# Altium PCB MK66MUC.PcbDoc (part 2 of 2)
Units mil, origin at the board's own origin, x right, y up, seen from the top; angles counter-clockwise.
Board outline 5142.08 x 3058.33 mil, 2 copper layers (Top Layer, Bottom Layer); 100 components, 101 nets, 463 pads, 106 vias.
Unrouted connection lines stored in the file: 122.
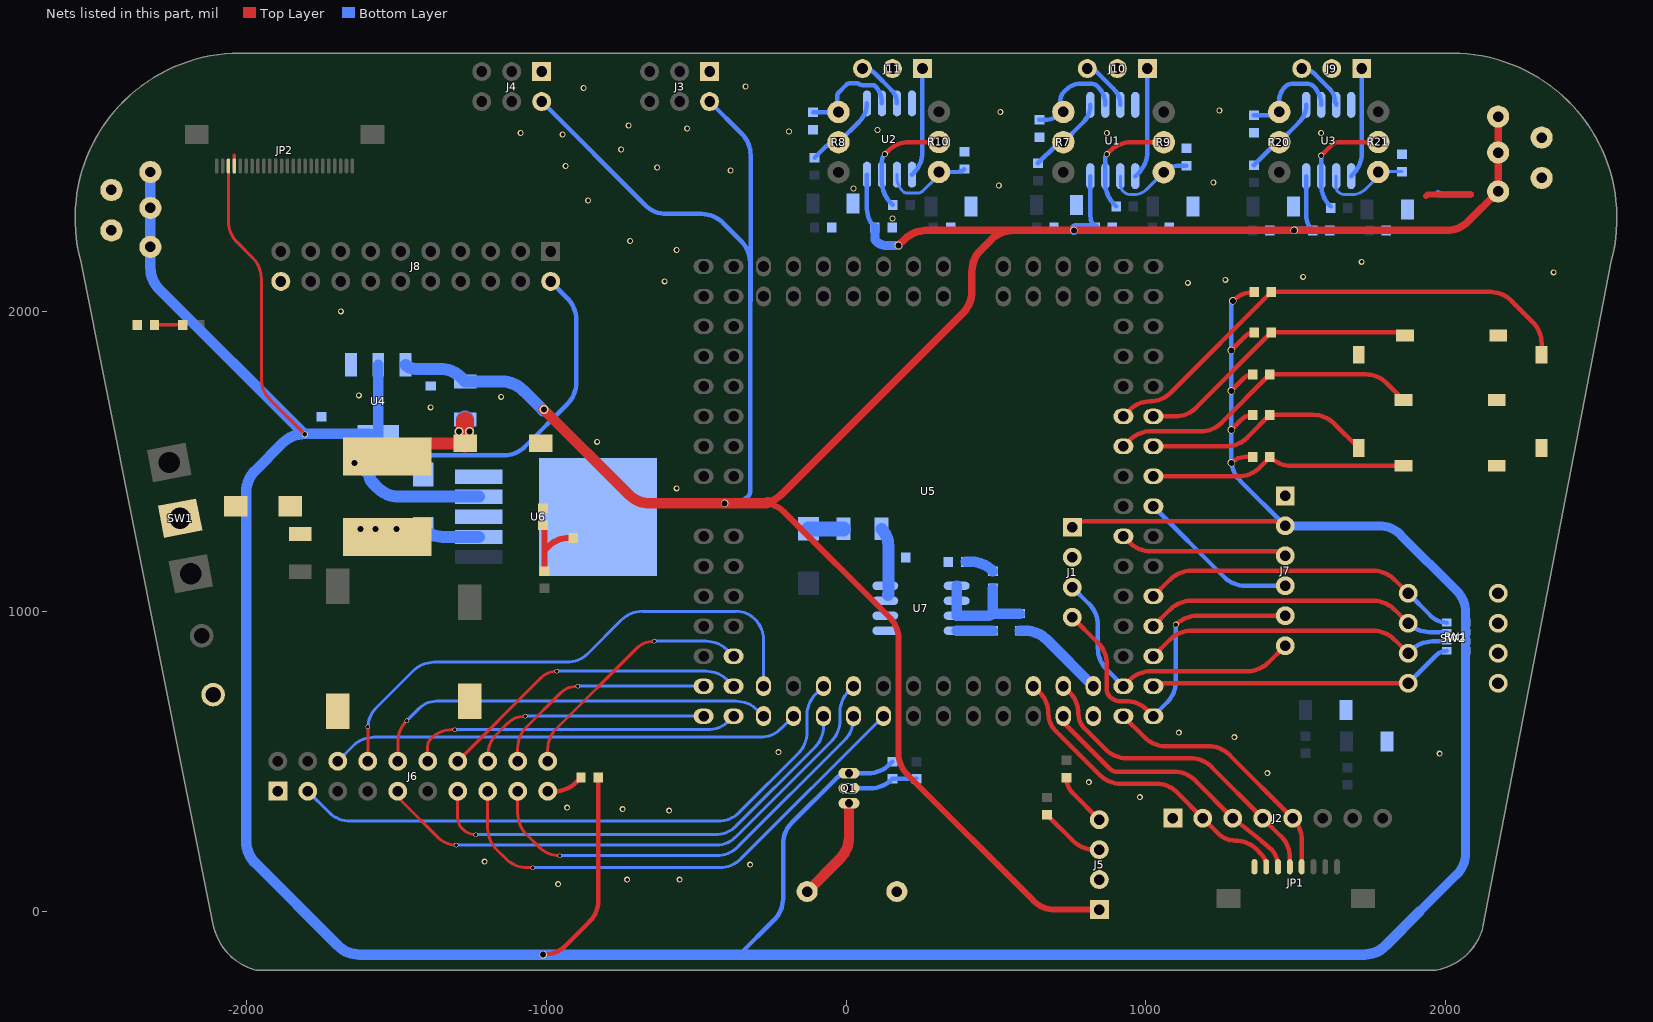
[diagram p2: the nets of this part, all layers, seen from the top]

## Via types
v1: diameter 20, hole 12, Top Layer to Bottom Layer, tented both sides, 50 vias
v2: diameter 25, hole 20, Top Layer to Bottom Layer, tented both sides, 23 vias
v3: diameter 15, hole 12, Top Layer to Bottom Layer, tented both sides, 21 vias
v4: diameter 30, hole 20, Top Layer to Bottom Layer, tented both sides, 7 vias
v5: diameter 20, hole 15, Top Layer to Bottom Layer, tented both sides, 5 vias

## Nets (pads, with @x,y where several pads share a name; then routed paths per layer and width w, separated by ;. In a path a pad name is that pad's centre, name@x,y a point inside that pad or via, vN(x,y) a via of type N, cw(c..) or ccw(c..) an arc to the next point about the centre after c; other vN are vias at no path point) (continued)
GND: C1.2 C2.2 C3.2 C4.2 C5.2 C6.2 C7.2 C8.2 C9.2 C10.2 C11.2 C13.2 C14.2 C15.2 C16.1 D1.2 D2.2 D3.2 D4.2 D5.2 D6.2 D7.2 D8.2 D10.C D11.1 FM1.2 J1.2 J2.1 J3.1 J4.1 J5.2 J6.1 J7.1 J8.11 J9.2 J10.2 J11.2 JP1.1 JP2.21 K1.A K2.A K3.A K4.A K5.A P1.2 pad.2@2320,2445 pad.2@2320,2580 pad.2@-2450,2270 pad.2@-2450,2405 R11.1 R12.1 R14.2 R15.2 R22.1 R23.2 R32.2 R37.1 SW2.5 SW2.6 SW2.7 SW2.8 U1.4 U2.4 U3.4 U4.1 U5.23 U6.3 U6.5 U6.6 U7.1 U7.2 | length 299.1
  Top Layer w12: JP2.21@-2040,2485 -2040,2520
  Top Layer w20: 1935,2385 1940,2390 2085,2390
  Bottom Layer w20: 1975,2395 1980,2390 2085,2390
  other v1: -960,90 -730,105 -555,105 -320,155 -1205,165 -590,335 -745,340 -930,345 980,380 810,430 1405,460 1980,525 -225,530 1295,580 1110,595 -565,1410 -830,1565 -1385,1680 -1150,1715 -1625,1720 -1685,2000 1140,2095 -605,2100 1265,2105 1525,2115 2360,2130 1720,2165 -565,2205 -720,2235 155,2310 -860,2370 25,2410 510,2420 1225,2430 -385,2470 -630,2480 -935,2485 -750,2540 -945,2590 -1085,2595 870,2595 1585,2595 -190,2600 105,2605 -530,2610 -725,2620 515,2665 1245,2670 -875,2745 -335,2750
IIC_SCL: J1.3 J7.6 U5.28 | length 979.1
  Top Layer w15: U5.28@925,750 945.71,770.71 cw(c1016.42,700) 1016.42,800 1338.58,800 ccw(c1338.58,900) 1409.29,829.29 J7.6@1465,885
  Bottom Layer w15: J1.3@755,1080 810.71,1024.29 cw(c740,953.58) 840,953.58 840,876.42 ccw(c940,876.42) 869.29,805.71 U5.28@925,750
IIC_SDA: J1.4 J7.5 U5.25 | length 1181.3
  Top Layer w15: J1.4@755,980 840.71,894.29 cw(c770,823.58) 870,823.58 870,739.14 ccw(c904.14,739.14) 880,715 ccw(c916.21,751.21) 916.21,700 933.58,700 cw(c933.58,600) 1004.29,670.71 U5.25@1025,650 ; v5(1100,955) 1100.71,955.71 cw(c1171.42,885) 1171.42,985 J7.5@1465,985
  Bottom Layer w15: U5.25@1025,650 1070.71,695.71 ccw(c1000,766.42) 1100,766.42 v5(1100,955)
KEY1: K1.B R25.1 U5.45 | length 953.8
  Top Layer w15: U5.45@1025,1650 1097.32,1650 ccw(c1097.32,1750) 1168.03,1679.29 R25.1@1418.74,1930 1840.35,1930 cw(c1840.35,1895.86) K1.B@1864.49,1920
KEY2: K2.B R26.1 U5.43 | length 765.7
  Top Layer w15: U5.43@1025,1550 1267.32,1550 ccw(c1267.32,1650) 1338.03,1579.29 R26.1@1413.74,1655 1558.07,1655 cw(c1558.07,1555) 1628.78,1625.71 K2.B@1710,1544.49
KEY3: K3.B R27.1 U5.46 | length 1683.4
  Top Layer w15: U5.46@925,1650 948.61,1673.61 cw(c1012.32,1609.9) 1012.32,1700 ccw(c1012.32,1800) 1083.03,1729.29 R27.1@1418.74,2065 2148.58,2065 cw(c2148.58,1965) 2219.29,2035.71 2290.71,1964.29 cw(c2220,1893.58) 2320,1893.58 K3.B@2320,1855.51
KEY4: K4.B R28.1 U5.44 | length 1056.2
  Top Layer w15: U5.44@925,1550 945.71,1570.71 cw(c1016.42,1500) 1016.42,1600 1182.32,1600 ccw(c1182.32,1700) 1253.03,1629.29 R28.1@1413.74,1790 1733.07,1790 cw(c1733.07,1690) 1803.78,1760.71 K4.B@1859.49,1705
KEY5: K5.B R24.1 U5.41 | length 864.6
  Top Layer w15: U5.41@1025,1450 1308.74,1450 ccw(c1308.74,1550) 1379.45,1479.29 1414.45,1514.29 ccw(c1485.16,1585) 1485.16,1485 K5.B@1859.49,1485
LC1: J9.1 U3.5 | length 369.2
  Bottom Layer w15: U3.5@1685,2451 1690.71,2456.71 ccw(c1620,2527.42) 1720,2527.42 J9.1@1720,2810
LC2: J9.3 U3.3 | length 177.5
  Bottom Layer w15: J9.3@1520,2810 cw(c1520,2749.64) 1562.68,2792.32 1613.09,2741.91 cw(c1570.4,2699.24) 1630.76,2699.24 cw(c1620.51,2689) U3.3@1635,2689
LC3: J10.1 U1.5 | length 371.3
  Bottom Layer w15: U1.5@965,2451 975.71,2461.71 ccw(c905,2532.42) 1005,2532.42 J10.1@1005,2810
LC4: J10.3 U1.3 | length 168.5
  Bottom Layer w15: J10.3@810,2810 cw(c810,2773.79) 835.61,2799.39 893.08,2741.92 cw(c840.16,2689) U1.3@915,2689
LC5: J11.1 U2.5 | length 364.2
  Bottom Layer w15: U2.5@220,2456 225.71,2461.71 ccw(c155,2532.42) 255,2532.42 J11.1@255,2810
LC6: J11.3 U2.3 | length 173
  Bottom Layer w15: J11.3@55,2810 cw(c55,2749.64) 97.68,2792.32 151.62,2738.38 cw(c107.23,2694) U2.3@170,2694
LCD_CS: J6.9 U5.7 | length 1481.3
  Top Layer w10: J6.9@-1095,400 -1095,326.42 ccw(c-995,326.42) -1065.71,255.71 -1023.28,213.28 ccw(c-955,281.57) v3(-955,185)
  Bottom Layer w10: v3(-955,185) -431.42,185 ccw(c-431.42,285) -360.71,214.29 -4.29,570.71 ccw(c-75,641.42) 25,641.42 U5.7@25,650
LCD_D0: J6.11 U5.85 | length 841
  Top Layer w10: J6.11@-995,500 -995,538.58 cw(c-895,538.58) -965.71,609.29 -699.75,875.25 cw(c-640,815.5) v3(-640,900)
  Bottom Layer w10: v3(-640,900) -466.42,900 cw(c-466.42,800) -395.71,870.71 U5.85@-375,850
LCD_D1: J6.12 U5.84 | length 765.4
  Top Layer w10: J6.12@-1095,500 -1095,543.58 cw(c-995,543.58) -1065.71,614.29 -954.75,725.25 cw(c-895,665.5) v3(-895,750)
  Bottom Layer w10: v3(-895,750) U5.84@-475,750
LCD_D2: J6.13 U5.82 | length 809.3
  Top Layer w10: J6.13@-1195,500 -1195,518.58 cw(c-1095,518.58) -1165.71,589.29 -1129.75,625.25 cw(c-1070,565.5) v3(-1070,650)
  Bottom Layer w10: v3(-1070,650) U5.82@-475,650
LCD_D3: J6.14 U5.83 | length 1057.6
  Top Layer w10: J6.14@-1295,500 -1016.21,778.79 cw(c-965,727.57) v3(-965,800)
  Bottom Layer w10: v3(-965,800) -466.42,800 cw(c-466.42,700) -395.71,770.71 U5.83@-375,750
LCD_D4: J6.15 U5.81 | length 1110.3
  Top Layer w10: J6.15@-1395,500 -1395,550.86 cw(c-1360.86,550.86) -1385,575 -1383.28,576.72 cw(c-1315,508.43) -1315,605 v3(-1305,605)
  Bottom Layer w10: v3(-1305,605) -461.42,605 ccw(c-461.42,705) -390.71,634.29 U5.81@-375,650
LCD_D5: J6.16 U5.1 | length 1372.8
  Top Layer w10: J6.16@-1495,500 -1495,563.58 cw(c-1395,563.58) -1465.71,634.29 v3(-1465,635)
  Bottom Layer w10: v3(-1465,635) -1424.75,675.25 cw(c-1365,615.5) -1365,700 -366.42,700 cw(c-366.42,600) -295.71,670.71 U5.1@-275,650
LCD_D6: J6.17 U5.2 | length 1813.9
  Top Layer w10: J6.17@-1595,500 v3(-1595,615)
  Bottom Layer w10: v3@-1595,608.58 cw(c-1495,608.58) -1565.71,679.29 -1444.29,800.71 cw(c-1373.58,730) -1373.58,830 -931.42,830 ccw(c-931.42,930) -860.71,859.29 -749.29,970.71 cw(c-678.58,900) -678.58,1000 -366.36,1000 cw(c-366.36,912.22) -304.29,974.29 cw(c-375,903.58) -275,903.58 U5.2@-275,750
LCD_D7: J6.18 U5.3 | length 1573.5
  Bottom Layer w10: J6.18@-1695,500 -1644.29,550.71 cw(c-1573.58,480) -1573.58,580 -286.42,580 ccw(c-286.42,680) -215.71,609.29 U5.3@-175,650
LCD_RD: J6.2 U5.6 | length 2037.5
  Bottom Layer w10: J6.2@-1804.29,377.57 cw(c-1772.57,377.57) J6.2@-1795,400 -1724.29,329.29 ccw(c-1653.58,400) -1653.58,300 -426.42,300 ccw(c-426.42,400) -355.71,329.29 -159.29,525.71 ccw(c-230,596.42) -130,596.42 -130,653.58 cw(c-30,653.58) -100.71,724.29 U5.6@-75,750
LCD_RS: J6.5 U5.8 | length 1872.1
  Top Layer w10: J6.5@-1495,400 ccw(c-1446.72,400) -1480.86,365.86 -1359.75,244.75 ccw(c-1300,304.5) v3(-1300,220)
  Bottom Layer w10: v3(-1300,220) -431.42,220 ccw(c-431.42,307.93) -369.25,245.75 -49.29,565.71 ccw(c-120,636.42) -20,636.42 -20,663.58 cw(c80,663.58) 9.29,734.29 U5.8@25,750
LCD_RST: J6.8 U5.9 | length 1718.5
  Top Layer w10: J6.8@-1195,400 -1195,276.42 ccw(c-1095,276.42) -1165.71,205.71 -1134.29,174.29 ccw(c-1063.58,245) -1063.58,145 v3(-1045,145)
  Bottom Layer w10: v3(-1045,145) -421.42,145 ccw(c-421.42,245) -350.71,174.29 U5.9@125,650
LCD_WR: J6.7 U5.5 | length 1538.7
  Top Layer w10: J6.7@-1295,400 -1295,311.21 ccw(c-1243.79,311.21) -1280.01,275.01 -1277.68,272.68 ccw(c-1235,315.36) v3(-1235,255)
  Bottom Layer w10: v3(-1235,255) -436.42,255 ccw(c-436.42,355) -365.71,284.29 -104.29,545.71 ccw(c-175,616.42) -75,616.42 U5.5@-75,650
NetC15_1: C15.1 F2.1 L1.1 U6.4 | length 878.1
  Top Layer w40: L1.1@-1530,1515.79 -1515.08,1530.71 cw(c-1444.37,1460) -1444.37,1560 C15.1@-1270,1560
  Top Layer w60: C15.1@-1270,1560 -1270,1635
  Bottom Layer w40: v4(-1640,1495) cw(c-1640,1470.86) -1622.93,1487.93 -1590,1455 ccw(c-1553.79,1455) -1579.39,1429.39 -1561.22,1411.22 ccw(c-1490.51,1481.93) -1490.51,1381.93 U6.4@-1224.65,1381.93
  Bottom Layer w60: -1270,1575 F2.1@-1270,1640
  other v4: -1290,1600 -1255,1600
NetC16_2: C16.2 F3.1 U7.3 U7.4 | length 226.6
  Bottom Layer w40: F3.1@117.99,1275 cw(c61.82,1218.83) 141.26,1218.83 C16.2@141.26,1180 141.26,1058.04 cw(c136.96,1058.04) 140,1055
NetC17_1: C17.1 R35.1 R36.2 U7.5 U7.6 U7.7 | length 396.8
  Bottom Layer w35: U7.5@369,1085 U7.6@369,1035 U7.7@369,985 471.94,985 ccw(c471.94,1010.54) R36.2@490,992.48 ; C17.1@490,1076.26 R36.2@490,992.48 ; R35.1@580,992.48 R36.2@490,992.48
NetC17_2: C17.2 R37.2 | length 99.9
  Bottom Layer w35: R37.2@398.74,1165 417.32,1165 cw(c417.32,1065) 488.03,1135.71 C17.2@490,1133.74
NetD9_1: D9.1 SW1.2
NetD9_2: D9.2 F1.1
NetD10_A: D10.A R29.1 | length 95.1
  Top Layer w12: D10.A@-2306.26,1950 cw(c-2294.19,1937.93) -2294.19,1955 R29.1@-2212.48,1955
NetD11_2: D11.2 L1.2 U6.2 | length 402.6
  Bottom Layer w40: v4(-1620,1275) v4(-1570,1275) v4(-1500,1275) D11.2@-1410,1275 ccw(c-1344.99,1340.01) -1344.99,1248.07 U6.2@-1224.65,1248.07
NetD12_2: D12.2 F3.2 | length 117
  Bottom Layer w50: D12.2@-125,1275 F3.2@-7.99,1275
NetFM1_1: FM1.1 Q1.3 | length 348.5
  Top Layer w35: FM1.1@-129.6,65 -19.29,175.31 ccw(c-90,246.02) 10,246.02 Q1.3@10,360
NetJ5_3: J5.3 R16.2 | length 218.9
  Top Layer w15: R16.2@670,321.26 756.97,234.29 ccw(c827.68,305) 827.68,205 J5.3@845,205
NetJ5_4: J5.4 R13.2 | length 182.4
  Top Layer w15: R13.2@735,445 ccw(c807.43,445) 756.21,393.79 J5.4@845,305
NetJ6_10: J6.10 R17.1 | length 125.6
  Top Layer w15: J6.10@-995,400 -970.16,400 ccw(c-970.16,500) -899.45,429.29 R17.1@-883.74,445
NetQ1_2: Q1.2 R33.2 R34.2 | length 233.6
  Bottom Layer w15: Q1.2@10,410 82.32,410 ccw(c82.32,510) 153.03,439.29 R33.2@155,441.26 R34.2@235,441.26
NetR1_2: R1.2 R7.2 U1.1 | length 271
  Bottom Layer w15: R1.2@640,2493.74 700.87,2554.61 cw(c725,2530.48) R7.2@725,2564.61 790.68,2630.28 ccw(c731.96,2689) U1.1@815,2689
NetR2_2: R2.2 R8.2 U2.1 | length 264
  Bottom Layer w15: R2.2@-105,2512.48 -73.26,2544.22 cw(c-25,2495.96) R8.2@-25,2564.21 45.4,2634.61 ccw(c-13.99,2694) U2.1@70,2694
NetR5_2: R5.2 R9.2 U1.7 | length 389
  Top Layer w15: v5(870,2525) 879.92,2534.92 cw(c950.63,2464.21) 950.63,2564.21 R9.2@1060,2564.21
  Bottom Layer w15: v5(870,2525) ccw(c882.07,2512.93) 865,2512.93 U1.7@865,2451 865,2427.68 ccw(c965,2427.68) 894.29,2356.97 R5.2@901.26,2350
NetR6_2: R6.2 R10.2 U2.7 | length 375.7
  Top Layer w15: v5(130,2525) 140.71,2535.71 cw(c211.42,2465) 211.42,2565 R10.2@310,2565
  Bottom Layer w15: v5(130,2525) ccw(c154.14,2500.86) 120,2500.86 U2.7@120,2456 120,2432.68 ccw(c220,2432.68) 149.29,2361.97 R6.2@156.26,2355
NetR7_3: R7.3 R14.1 U1.2 | length 351.8
  Bottom Layer w15: R14.1@645,2638.74 660.65,2638.74 ccw(c660.65,2729.75) R7.3@725,2665.39 cw(c749.14,2689.54) 715,2689.54 715,2705 cw(c751.21,2705) 725.61,2730.61 735,2740 cw(c783.28,2691.72) 783.28,2760 815.86,2760 cw(c815.86,2725.86) 840,2750 cw(c779.64,2689.64) 865,2689.64 U1.2@865,2689
NetR8_3: R8.3 R15.1 U2.2 | length 354
  Bottom Layer w15: R15.1@-110,2663.74 cw(c-106.96,2660.7) -106.96,2665 R8.3@-25,2665 cw(c-12.93,2677.07) -30,2677.07 -30,2715 cw(c-5.86,2715) -22.93,2732.07 0,2755 cw(c14.49,2740.51) 14.49,2761 40,2761 ccw(c54.49,2775.5) 54.49,2755 95,2755 cw(c34.64,2694.64) 120,2694.64 U2.2@120,2694
NetR9_1: R9.1 R11.2 U1.6 | length 300.4
  Bottom Layer w10: U1.6@915,2451 915,2424.14 ccw(c949.14,2424.14) 925,2400 ccw(c949.14,2424.14) 949.14,2390 961.11,2390 ccw(c961.11,2449.59) 1003.24,2407.45 R9.1@1060,2464.21
  Bottom Layer w15: R9.1@1060,2464.21 cw(c1113.23,2410.98) 1113.23,2486.26 R11.2@1135,2486.26
NetR10_1: R10.1 R12.2 U2.6 | length 303.1
  Bottom Layer w10: U2.6@170,2456 170,2448.28 ccw(c238.28,2448.28) 190,2400 ccw(c202.07,2412.07) 202.07,2395 240,2395 ccw(c240,2419.14) 257.07,2402.07 302.93,2447.93 ccw(c285.86,2465) R10.1@310,2465
  Bottom Layer w15: R10.1@310,2465 370.86,2465 ccw(c370.86,2499.14) R12.2@395,2475
NetR18_2: R18.2 R20.2 U3.1 | length 274.2
  Bottom Layer w15: R18.2@1360,2487.48 1431.56,2559.04 cw(c1445,2545.59) R20.2@1445,2564.61 1510.68,2630.28 ccw(c1451.96,2689) U3.1@1535,2689
NetR19_2: R19.2 R21.2 U3.7 | length 385.7
  Top Layer w15: v5(1585,2520) 1619.14,2554.14 cw(c1645.36,2527.93) 1645.36,2565 R21.2@1775,2565
  Bottom Layer w15: v5(1585,2520) U3.7@1585,2451 1585,2422.68 ccw(c1685,2422.68) 1614.29,2351.97 R19.2@1616.26,2350
NetR20_3: R20.3 R23.1 U3.2 | length 346.1
  Bottom Layer w15: R23.1@1360,2653.74 1416.86,2653.74 ccw(c1416.86,2693.53) R20.3@1445,2665.39 1445,2702.57 cw(c1511.21,2702.57) 1464.39,2749.39 cw(c1490,2723.79) 1490,2760 1536.5,2760 cw(c1536.5,2727.41) 1559.54,2750.46 cw(c1498.09,2689) U3.2@1585,2689
NetR21_1: R21.1 R22.2 U3.6 | length 310.7
  Bottom Layer w10: U3.6@1635,2451 1635,2412.07 ccw(c1652.07,2412.07) 1640,2400 ccw(c1664.14,2424.14) 1664.14,2390 1686.72,2390 ccw(c1686.72,2458.28) 1735,2410 1764.39,2439.39 ccw(c1738.79,2465) R21.1@1775,2465 ; R21.1@1780,2465 R21.1@1775,2465 ; R22.2@1855,2466.26 1778.04,2466.26 ccw(c1778.04,2461.96) R21.1@1775,2465
NetR30_2: R30.2 R31.1 R32.1 | length 261.6
  Top Layer w20: R32.1@-1010,1286.26 cw(c-1022.07,1274.19) -1005,1274.19 -1005,1203.96 ; R30.2@-1005,1133.74 -1005,1203.96 ; R31.1@-910,1245 -922.54,1245 ccw(c-922.54,1145) -993.25,1215.71 -1005,1203.96
NetR36_1: R36.1 U7.8 | length 121
  Bottom Layer w35: U7.8@369,935 R36.1@490,935
PWM_MOTOR1+: J2.5 JP1.5 U5.26 | length 867.5
  Top Layer w15: U5.26@925,650 995.71,579.29 ccw(c1066.42,650) 1066.42,550 1208.58,550 cw(c1208.58,450) 1279.29,520.71 J2.5@1490,310 1490.4,309.6 cw(c1419.69,238.89) 1519.69,238.89 JP1.5@1519.69,147.76
PWM_MOTOR1-: J2.4 JP1.4 U5.22 | length 1067.7
  Top Layer w15: U5.22@725,750 745.71,729.29 cw(c675,658.58) 775,658.58 ccw(c843.99,658.58) 795.21,609.79 865.71,539.29 ccw(c936.42,610) 936.42,510 1148.58,510 cw(c1148.58,410) 1219.29,480.71 J2.4@1390,310 1451.03,248.97 cw(c1380.32,178.26) 1480.32,178.26 JP1.4@1480.32,147.76
PWM_MOTOR2+: J2.3 JP1.3 U5.21 | length 942.2
  Top Layer w15: U5.21@710,645 880.11,474.89 ccw(c903.99,498.78) 903.99,465 1093.58,465 cw(c1093.58,365) 1164.29,435.71 J2.3@1290,310 1385,235 1421.79,202.44 cw(c1353.31,147.76) JP1.3@1440.94,147.76
PWM_MOTOR2-: J2.2 JP1.2 U5.20 | length 1058.1
  Top Layer w15: U5.20@625,750 645.71,729.29 cw(c575,658.58) 675,658.58 ccw(c756.07,658.58) 698.74,601.26 845.71,454.29 ccw(c916.42,525) 916.42,425 1033.58,425 cw(c1033.58,325) 1104.29,395.71 J2.2@1190,310 1241.26,258.74 ccw(c1298.58,316.07) 1298.58,235 cw(c1298.58,135) 1369.29,205.71 1383.42,191.58 cw(c1339.6,147.76) JP1.2@1401.57,147.76
SW1: RN1.4 SW2.1 U5.33 | length 1073.5
  Top Layer w15: U5.33@1025,1050 1080.71,1105.71 cw(c1151.42,1035) 1151.42,1135 1758.58,1135 cw(c1758.58,1035) 1829.29,1105.71 SW2.1@1875,1060
  Bottom Layer w15: SW2.1@1875,1060 1951.02,983.98 ccw(c2003.5,1036.45) RN1.4@2003.5,962.24
SW2: RN1.3 SW2.2 U5.31 | length 1044
  Top Layer w15: U5.31@1025,950 1080.71,1005.71 cw(c1151.42,935) 1151.42,1035 1758.58,1035 cw(c1758.58,935) 1829.29,1005.71 SW2.2@1875,960
  Bottom Layer w15: SW2.2@1875,960 ccw(c1945.62,1030.62) 1945.62,930.75 RN1.3@2003.5,930.75
SW3: RN1.2 SW2.3 U5.29 | length 1048.1
  Top Layer w15: U5.29@1025,850 1080.71,905.71 cw(c1151.42,835) 1151.42,935 1758.58,935 cw(c1758.58,835) 1829.29,905.71 SW2.3@1875,860
  Bottom Layer w15: SW2.3@1875,860 1884.96,869.96 cw(c1955.67,799.25) 1955.67,899.25 RN1.2@2003.5,899.25
SW4: RN1.1 SW2.4 U5.27 | length 1023.7
  Top Layer w15: U5.27@1025,750 cw(c1049.14,725.86) 1049.14,760 SW2.4@1875,760
  Bottom Layer w15: SW2.4@1875,760 1968.09,853.09 cw(c2003.51,817.66) RN1.1@2003.51,867.76
TOF_RXD: J7.3 U5.38 | length 560.4
  Top Layer w15: U5.38@925,1250 945.71,1229.29 ccw(c1016.42,1300) 1016.42,1200 1428.79,1200 cw(c1428.79,1160.86) 1456.46,1188.54 ccw(c1465,1197.07) J7.3@1465,1185
TOF_TXD: J7.4 U5.39 | length 545.5
  Bottom Layer w15: U5.39@1025,1350 1260.71,1114.29 ccw(c1331.42,1185) 1331.42,1085 J7.4@1465,1085
VCC5V_MCU: R35.2 U5.24 | length 317.3
  Bottom Layer w35: R35.2@580,935 598.58,935 cw(c598.58,835) 669.29,905.71 U5.24@825,750
VCC_3.3V: C11.1 J1.1 J7.2 J8.20 JP2.22 pad.2@-2320,2215 pad.2@-2320,2345 pad.2@-2320,2465 Q1.1 R17.2 R24.2 R25.2 R26.2 R27.2 R28.2 R33.1 RN1.5 RN1.6 RN1.7 RN1.8 U4.2 U4.4 | length 14697.5
  Top Layer w10: JP2.22@-2059.68,2485 -2059.68,2301.11 ccw(c-1959.68,2301.11) -2030.4,2230.4 -1979.29,2179.29 cw(c-2050,2108.58) -1950,2108.58 -1950,1776.42 ccw(c-1850,1776.42) -1920.71,1705.71 v5(-1805,1590)
  Top Layer w15: v2(-1010,-145) -1006.42,-145 ccw(c-1006.42,-45) -935.71,-115.71 -855.55,-35.55 ccw(c-926.26,35.16) -826.26,35.16 R17.2@-826.26,445 ; J1.1@755,1280 cw(c803.28,1231.72) 803.28,1300 1428.79,1300 cw(c1428.79,1248.79) J7.2@1465,1285 ; v2(1285,1495) cw(c1333.28,1446.72) 1333.28,1515 R24.2@1356.26,1515 ; v2(1285,1605) 1319.97,1639.97 cw(c1356.26,1603.67) R26.2@1356.26,1655 ; v2(1285,1735) 1328.5,1778.5 cw(c1356.26,1750.75) R28.2@1356.26,1790 ; v2(1285,1870) 1333.5,1918.5 cw(c1361.26,1890.75) R25.2@1361.26,1930 ; v2(1290,2035) 1290.82,2035.82 cw(c1361.26,1965.39) R27.2@1361.26,2065
  Bottom Layer w15: U4.4@-1560,1577.95 -1531.34,1549.29 ccw(c-1460.63,1620) -1460.63,1520 -1141.42,1520 ccw(c-1141.42,1620) -1070.71,1549.29 -929.29,1690.71 ccw(c-1000,1761.42) -900,1761.42 -900,1973.58 ccw(c-1000,1973.58) -929.29,2044.29 J8.20@-985,2100 ; -355,-145 -239.29,-29.29 ccw(c-310,41.42) -210,41.42 -210,223.58 cw(c-110,223.58) -180.71,294.29 -32.68,442.32 cw(c10,399.64) Q1.1@10,460 74.84,460 ccw(c74.84,560) 145.55,489.29 R33.1@155,498.74 ; v2(1290,2035) ccw(c1302.07,2022.93) 1285,2022.93 v2(1285,1870) v2(1285,1735) v2(1285,1605) 1285,1506.42 ccw(c1385,1506.42) 1314.29,1435.71 J7.2@1465,1285
  Bottom Layer w30: J7.2@1465,1285 1778.58,1285 cw(c1778.58,1185) 1849.29,1255.71 2037.2,1067.8 cw(c1966.49,997.09) 2066.49,997.09 RN1.5@2066.49,962.24 2066.49,192.91 cw(c1966.49,192.91) 2037.2,122.2 1912.5,-2.5
  Bottom Layer w35: pad.2@-2320,2465 pad.2@-2320,2345 pad.2@-2320,2215 -2320,2145.36 ccw(c-2220,2145.36) -2290.71,2074.65 v5@-1807.32,1591.26 ; U4.2@-1560,1822.05 U4.4@-1560,1577.95 ccw(c-1592.13,1545.83) -1592.13,1591.26 C11.1@-1750,1591.26 v5@-1807.32,1591.26 ; 1912.5,-2.5 1799.29,-115.71 cw(c1728.58,-45) 1728.58,-145 -355,-145 v2(-1010,-145) -1623.58,-145 cw(c-1623.58,-45) -1694.29,-115.71 -1970.71,160.71 cw(c-1900,231.42) -2000,231.42 -2000,1398.58 cw(c-1900,1398.58) -1970.71,1469.29 -1878.03,1561.97 cw(c-1807.32,1491.26) v5@-1807.32,1591.26
VCC_5V: C3.1 C4.1 C8.1 C10.1 F2.2 J3.6 J4.6 J5.1 pad.2@2175,2400 pad.2@2175,2530 pad.2@2175,2650 U1.8 U2.8 U3.8 U4.3 | length 10225.1
  Top Layer w20: -276.42,1360 cw(c-276.42,1260) -205.71,1330.71 145.71,979.29 cw(c75,908.58) 175,908.58 175,526.42 ccw(c275,526.42) 204.29,455.71 625.71,34.29 ccw(c696.42,105) 696.42,5 J5.1@845,5
  Top Layer w25: -260.88,1363.32 ccw(c-286.42,1460) -215.71,1389.29 390.71,1995.71 ccw(c320,2066.42) 420,2066.42 420,2133.58 cw(c520,2133.58) 449.29,2204.29 485.71,2240.71 cw(c556.42,2170) 556.42,2270 ; v2(175,2220) 195.71,2240.71 cw(c266.42,2170) 266.42,2270 556.42,2270 ; pad.2@2175,2650 pad.2@2175,2530 pad.2@2175,2400 2074.29,2299.29 cw(c2003.58,2370) 2003.58,2270 v2(1495,2270) 556.42,2270
  Top Layer w35: v4(-1007.5,1672.5) -724.29,1389.29 ccw(c-653.58,1460) -653.58,1360 v2(-405,1360) -276.42,1360 -268.89,1360 ccw(c-268.89,1371.33) -260.88,1363.32
  Bottom Layer w15: J4.6@-1015,2700 -669.29,2354.29 ccw(c-598.58,2425) -598.58,2325 -481.42,2325 cw(c-481.42,2225) -410.71,2295.71 -349.29,2234.29 cw(c-420,2163.58) -320,2163.58 -320,1397.07 cw(c-337.07,1397.07) -325,1385 cw(c-385.36,1445.36) -385.36,1360 v2(-405,1360) ; J3.6@-455,2700 -347.38,2592.38 cw(c-418.09,2521.67) -318.09,2521.67 -318.09,2035 ; U2.8@70,2456 70,2343.4 ccw(c159.66,2343.4) C4.1@96.26,2280 ; U1.8@815,2451 815,2319.25 ccw(c870.51,2319.25) C3.1@831.26,2280 ; U3.8@1535,2451 1535,2321.33 ccw(c1607.59,2321.33) C8.1@1556.26,2270
  Bottom Layer w25: v2(1495,2270) C8.1@1556.26,2270
  Bottom Layer w30: C4.1@96.26,2280 96.26,2244.03 ccw(c109.03,2244.03) 100,2235 ccw(c136.21,2271.21) 136.21,2220 v2(175,2220) ; v2(760,2270) 760,2275 765,2280 C3.1@831.26,2280
  Bottom Layer w40: U4.3@-1469.45,1822.05 ccw(c-1437.32,1854.17) -1437.32,1808.74 C10.1@-1385,1808.74 -1354.18,1808.74 cw(c-1354.18,1708.74) -1283.46,1779.45 F2.2@-1270,1765.99 -1147.41,1765.99 cw(c-1147.41,1665.99) -1076.7,1736.7 v4@-1010,1670
pads on no net: J2.6 J3.3 J3.4 J4.3 J4.4 J6.3 J6.4 J6.6 J6.19 J6.20 J8.13 J8.14 J8.16 J8.18 J8.19 JP1.6 JP1.9 JP1.10 JP2.1 JP2.2 JP2.3 JP2.5 JP2.7 JP2.8 JP2.10 JP2.23 JP2.24 JP2.25 JP2.26 R7.1 R8.1 R9.3 R10.3 R20.1 R21.3 SW1.1 U5.4 U5.10 U5.12 U5.13 U5.14 U5.15 U5.16 U5.17 U5.30 U5.32 U5.34 U5.36 U5.40 U5.42 U5.47 U5.48 U5.49 U5.50 U5.51 U5.52 U5.53 U5.54 U5.58 U5.59 U5.60 U5.61 U5.62 U5.68 U5.69 U5.70 U5.71 U5.72 U5.75 U5.76 U5.77 U5.78 U5.79 U5.80 U5.86 U5.87 U5.88 U5.89 U5.90 U5.91 U5.92 U5.93 U5.95 U5.96 U5.97 U5.109 U5.111
copper on no net: | length 2034.2
  Top Layer w10: -2075,-90 ccw(c-2025,-90) -2025,-140 -1435,-140 ccw(c-1435,-90) -1385,-90 -1385,180 ccw(c-1435,180) -1435,230 -2025,230 ccw(c-2025,180) -2075,180 -2075,-90

## Polygon pours and split planes (outlines as drawn)
7.2V on Top Layer "Top Layer-No Net" (solid, remove dead copper, pour order 20): -1025,1095 -211.42,1095 cw(c-211.42,995) -140.71,1065.71 -105,1030 cw(c-117.07,1017.93) -100,1017.93 -100,970 cw(c-124.14,970) -107.07,952.93 -115,945 cw(c-127.07,957.07) -127.07,940 -475,940 -892.07,940 cw(c-892.07,1040) -962.78,969.29 -983.9,990.41
7.2V on Top Layer "Top Layer-No Net" (solid, remove dead copper, pour order 14): -1320,1080 -1320,1160 -1135,1155 -1025,1095 -985,1050 -980,990 -1220,1015
7.2V on Top Layer "Top Layer-No Net" (solid, remove dead copper, pour order 12): -1300,1040 -1656.46,1136.09 -1745,1125 -1740,1025 -1305,950 -1205,960 -1215,1030
7.2V on Top Layer "Top Layer-No Net" (solid, remove dead copper, pour order 10): -1860,1155 -1655,1140 -1700,1020 -1860,1055
NetD9_2 on Top Layer "Top Layer-No Net" (solid, remove dead copper, pour order 8): -1860,1235 -1925,1370 -1840,1420 -1745,1265 -1795,1215
NetD9_1 on Top Layer "Top Layer-No Net" (solid, remove dead copper, pour order 6): -2275,1240 -1980,1295 -2005,1435 -2300,1360
DC_POWERIN on Top Layer "Top Layer-No Net" (solid, remove dead copper, pour order 2): -2290,1180 -2120,1220 -2055,890 -2225,850
7.2V on Bottom Layer "Top Layer-No Net" (solid, remove dead copper, pour order 18): -90,1130 -90,980 cw(c-102.07,980) -93.54,971.46 -110,955 cw(c-122.07,967.07) -122.07,950 -175,950 cw(c-175,1010.36) -217.68,967.68 -235,985 cw(c-210.86,1009.14) -245,1009.14 -245,1085 cw(c-220.86,1085) -237.93,1102.07 -205,1135 -150,1135
7.2V on Bottom Layer "Top Layer-No Net" (solid, remove dead copper, pour order 16): -1305,1210 -1145,1210 -1093.28,1158.28 cw(c-1161.57,1090) -1065,1090 -1065,1076.21 cw(c-1116.21,1076.21) -1080,1040 cw(c-1092.07,1052.07) -1092.07,1035 -1165,1035 -1228.58,1035 cw(c-1228.58,1135) -1299.29,1064.29 -1315,1080 cw(c-1278.79,1116.21) -1330,1116.21 -1330,1175 cw(c-1305.86,1175) -1322.93,1192.07 -1305,1210

## Keep-outs
Keep-Out Layer:
  circle w10: c2136.81,2220.08 r66.93
  circle w10: c-2136.81,2220.08 r66.93
  circle w10: c1082.68,0 r66.93
  circle w10: c-1082.68,0 r66.93
  lines w10: -2552.35,2169.13 cw(c-2021.09,2311.48) -2021.09,2861.48 2021.09,2861.48 cw(c2021.09,2311.48) 2552.35,2169.13 2124.46,-53.94 cw(c1934.32,-2.99) 1968.5,-196.85 -1968.5,-196.85 cw(c-1917.56,-6.71) -2111.42,-40.89 -2552.35,2169.13 ; -556.1,-2.53 -497.05,99.76 -378.94,99.76 -319.88,-2.53 -378.94,-104.82 -497.05,-104.82 -556.1,-2.53 ; -556.1,440.78 -497.05,543.06 -378.94,543.06 -319.88,440.78 -378.94,338.49 -497.05,338.49 -556.1,440.78 ; 319.88,-2.53 378.94,99.76 497.05,99.76 556.1,-2.53 497.05,-104.82 378.94,-104.82 319.88,-2.53 ; 319.88,440.78 378.94,543.06 497.05,543.06 556.1,440.78 497.05,338.49 378.94,338.49 319.88,440.78

## Other copper
Top Layer:
  rectangle net GND: -2185,660 -2055,805
  rectangle net GND: -1760,585 -1640,775
  text "帝江" at -1975,-10 h250
  text "CQUPT-2020.06" at -2050,-115 h100
Bottom Layer:
  rectangle net GND: -2175,640 -2055,805

## Silkscreen, mask and mechanical layers (free items; w line width, h text height)
Top Overlay:
  lines w10: -2120,33.19 ccw(c-1903.46,33.19) -1903.46,-183.35 -994.41,-183.35 ccw(c-994.41,33.19) -777.87,33.19 -777.87,1795 -2120,1795 -2120,33.19
  text "GND" at -390,2790 h60
  text "LC4" at 620,2790 h80
  text "GND" at -950,2785 h60
  text "LC6" at -130,2785 h80
  text "LC5" at 325,2785 h80
  text "LC3" at 1070,2785 h80
  text "LC1" at 1785,2785 h80
  text "LC2" at 1335,2780 h80
  text "摄像头" at -2040,2750 h120
  text "5V" at -385,2680 h60
  text "5V" at -950,2675 h60
  text "编码器2" at -1295,2500 h120
  text "编码器1" at -720,2495 h120
  text "摄像头" at -1945,2270 h120
  text "3.3V" at -915,2070 h60
  text "GND" at -1940,1990 h60
  text "GND" at 1525,1365 h60
  text "3.3V" at 1525,1265 h60
  text "RX" at 1530,1165 h60
  text "TX" at 1530,1075 h60
  text "SDA" at 1530,970 h60
  text "SCL" at 1530,860 h60
  text "TOF测距" at 1405,820 h120 r90
  text "负" at -2090,610 h120 r281
  text "GND" at 1100,375 h60 r90
  text "Motor2" at 1145,365 h60
  text "Motor1" at 1355,365 h60
  text "ADC1" at 1820,365 h80 r90
  text "ADC2" at 1715,360 h80 r90
  text "GND" at -1945,300 h60
  text "3.3V" at -1040,290 h60
  text "BT_RX" at 895,290 h60
  text "BT_TX" at 900,185 h60
  text "GND" at 905,80 h60
  text "5V" at 905,-20 h60
  text "蓝牙" at 760,-45 h120 r90
  text "JLCJLCJLCJLC" at 1315,-50 h60
Bottom Overlay:
  text "陀螺仪" at 850,1350 h120
  text "3.3V" at 695,1260 h80
  text "GND" at 690,1165 h80
  text "SCL" at 695,1065 h80
  text "SDA" at 690,1030 h80 r90
Top Paste:
  lines w10: -2020,230 -2025,230 ; -2025,230 ccw(c-2025,180) -2075,180 -2075,-90 ccw(c-2025,-90) -2025,-140 -1435,-140 ccw(c-1435,-90) -1385,-90 -1385,180 ccw(c-1435,180) -1435,230 -2025,230
  text "帝江" at -1975,-10 h250
  text "CQUPT-2020.06" at -2050,-115 h100
Top Solder:
  lines w10: -1895,230 -1435,230 cw(c-1435,180) -1385,180 -1385,-90 cw(c-1435,-90) -1435,-140 -2025,-140 cw(c-2025,-90) -2075,-90 -2075,180 cw(c-2025,180) -2025,230 -1880,230
  text "帝江" at -1975,-10 h250
  text "CQUPT-2020.06" at -2050,-115 h100

## Text inside footprints (layer, text, board x,y; h text height)
SW2: Top Overlay "ON" at 2095.25,1086 h31.5 r270; Top Overlay "1" at 1935.64,1063.8 h19.68 r90; Top Overlay "2" at 1935.84,966 h19.68 r90; Top Overlay "3" at 1935.34,864.9 h19.68 r90; Top Overlay "4" at 1935,760 h19.68 r90
U5: Top Overlay "JLink" at -583.98,1591.81 h100 r90; Top Overlay "USB" at 1204.83,1309.23 h50 r90